# Altium PCB NUCLEOG431RB-Custom-IN-A2212.PcbDoc (part 1 of 5) (continued)
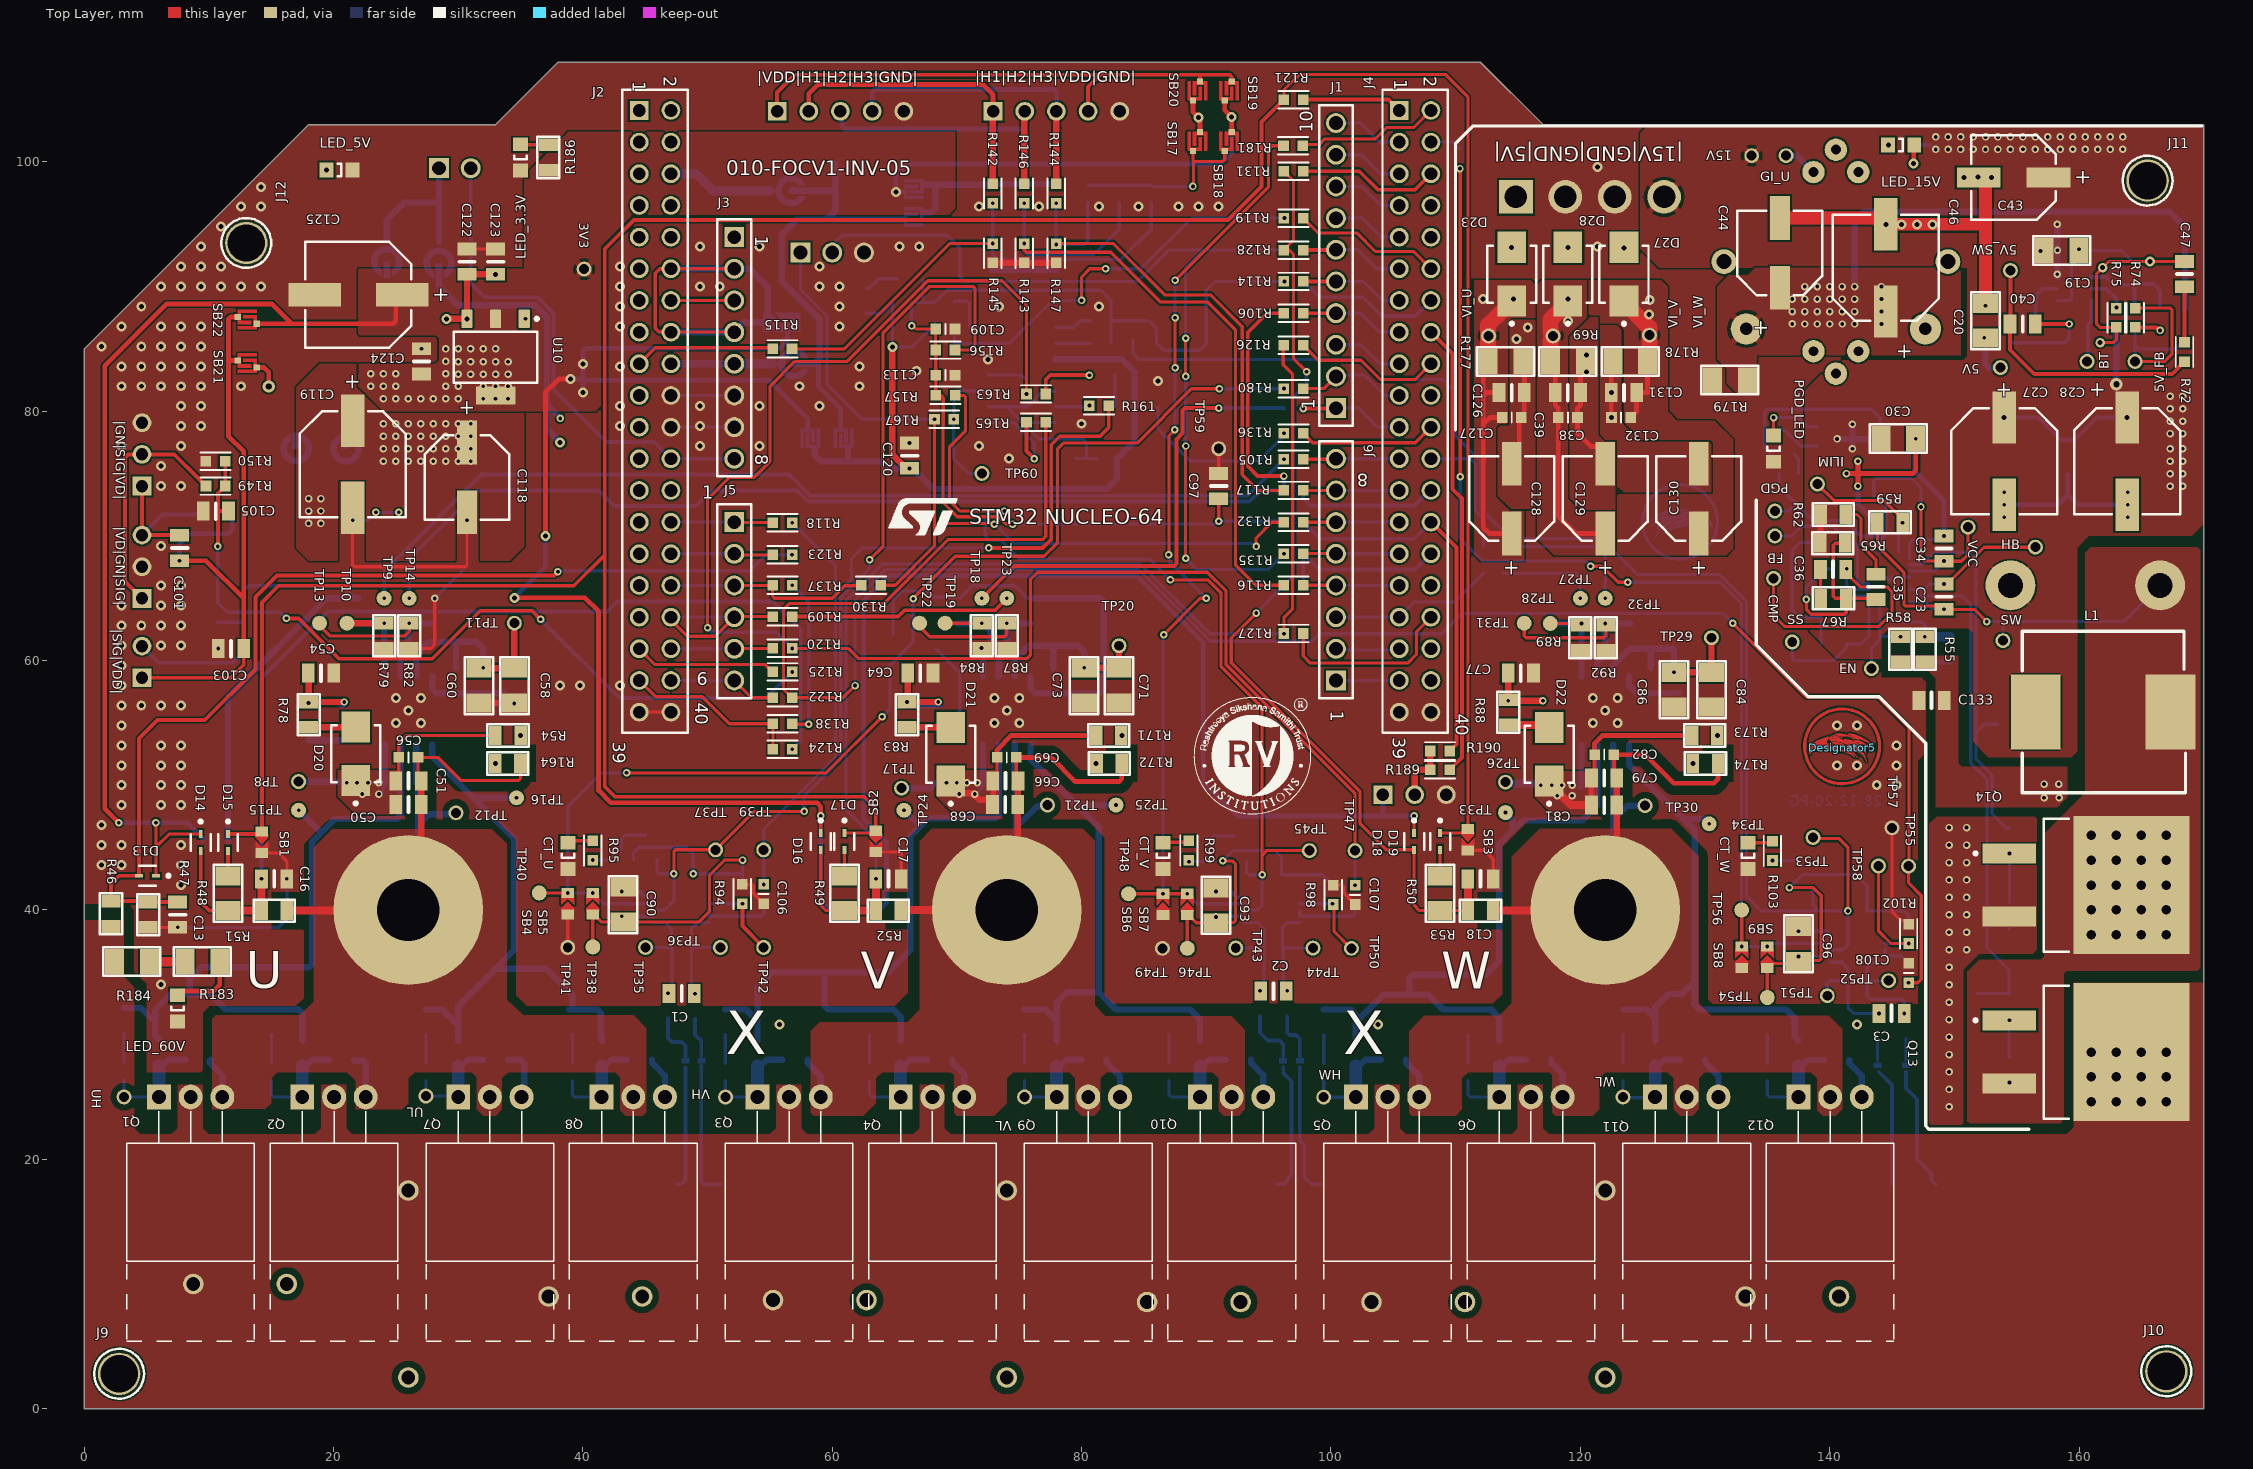
[diagram p0: Top Layer view]
## Components (designator, comment, footprint, x,y, rotation, side; value= is the part's Value field where it differs from the comment) (continued)
R42 "0.001" SMD-2512-RES 146.5,18 r0 bottom net-tie
R43 "1.5" SMD-0805-RES 49,32.27 r180 bottom
R44 "1.5" SMD-0805-RES 96.5,32.5 r180 bottom
R45 "1.5" SMD-0805-RES 146.115,30.69 r180 bottom
R46 "169k" SMD-0805-RES 2.152,39.694 r180 top
R47 "9.31k" SMD-0805-RES 5.132,39.624 r180 top
R48 "2.2k" SMD-1206-RES 11.536,41.347 r180 top
R49 "2.2k" SMD-1206-RES 60.976,41.347 r180 top
R50 "2.2k" SMD-1206-RES 108.75,41.347 r180 top
R51 "10k" SMD-0805-RES 15.24,39.95 r270 top
R52 "10k" SMD-0805-RES 64.5,39.95 r270 top
R53 "10k" SMD-0805-RES 112,39.95 r270 top
R54 "0.0" SMD-0805-RES 33.992,54 r90 top
R55 "2.2" SMD-0805-RES 147.633,60.908 r0 top
R56 "8.2" SMD-0805-RES 154.389,32.229 r180 bottom
R57 "10k" SMD-0805-RES 154.416,27.174 r0 bottom
R58 "121k" SMD-0805-RES 145.678,60.908 r0 top
R59 "698" SMD-0805-RES 144.842,71.088 r270 top
R60 "8.06k" SMD-0805-RES 145.678,60.908 r0 bottom
R61 "20k" SMD-0805-RES 144.548,73.184 r270 bottom
R62 "4.7" SMD-0805-RES 140.279,71.718 r270 top
R63 "8.2" SMD-0805-RES 154.421,45.556 r180 bottom
R64 "100k" SMD-0805-RES 140.347,61.334 r270 bottom
R65 "18k" SMD-0805-RES 140.238,69.419 r270 top
R66 "10k" SMD-0805-RES 154.4,39.6 r0 bottom
R67 "2.61k" SMD-0805-RES 140.311,65 r90 top
R68 "1.02k" SMD-0805-RES 140.331,69.473 r270 bottom
R69 "100k" SMD-1206-RES 119,84 r90 top
R70 "1" SMD-0603-RES 160,87 r90 bottom
R71 "510k" SMD-0603-RES 163,87.5 r180 bottom
R72 "13.7k" SMD-0603-RES 168.461,84.759 r0 top
R73 "49.9" SMD-0603-RES 168.5,87.5 r0 bottom
R74 "2k" SMD-0603-RES 164.5,87.5 r0 top
R75 "68k" SMD-0603-RES 163,87.5 r180 top
R76 "100k" SMD-0603-RES 164.5,87.5 r180 bottom
R77 "13.7k" SMD-0603-RES 164.5,91 r180 bottom
R78 "2" SMD-0805-RES 18,55.666 r0 top
R79 "100k" SMD-0805-RES 24.06,61.984 r0 top
R80 "1k" SMD-0805-RES 24.095,64 r180 bottom
R81 "1k" SMD-0805-RES 26,64 r180 bottom
R82 "100k" SMD-0805-RES 26.068,61.984 r180 top
R83 "2" SMD-0805-RES 66,55.666 r0 top
R84 "100k" SMD-0805-RES 72,61.984 r0 top
R85 "1k" SMD-0805-RES 72.095,64 r180 bottom
R86 "1k" SMD-0805-RES 74,64 r180 bottom
R87 "100k" SMD-0805-RES 74,61.984 r180 top
R88 "2" SMD-0805-RES 114.222,55.85 r0 top
R89 "100k" SMD-0805-RES 120.004,61.835 r0 top
R90 "1k" SMD-0805-RES 120.095,64 r180 bottom
R91 "1k" SMD-0805-RES 122,64 r180 bottom
R92 "100k" SMD-0805-RES 122.052,61.835 r180 top
R93 "10k" SMD-0603-RES 48.07,42.9 r270 bottom
R94 "1k" SMD-0603-RES 52.792,41.275 r0 top
R95 "2.05k" SMD-0603-RES 40.788,44.775 r0 top
R96 "1k" SMD-0603-RES 52.792,41.275 r180 bottom
R97 "10k" SMD-0603-RES 95.256,42.822 r270 bottom
R98 "1k" SMD-0603-RES 100.175,41.217 r0 top
R99 "2.05k" SMD-0603-RES 88.61,44.775 r0 top
R100 "1k" SMD-0603-RES 100.175,41.217 r180 bottom
R101 "10k" SMD-0603-RES 142.24,39.923 r270 bottom
R102 "1k" SMD-0603-RES 146.329,38.091 r0 top
R103 "2.05k" SMD-0603-RES 135.413,44.742 r0 top
R104 "1k" SMD-0603-RES 146.344,38.091 r180 bottom
R105 "0.0" SMD-0603-RES 97,76.158 r270 top
R106 "0.0" SMD-0603-RES 97,87.859 r270 top
R107 "0.0" SMD-0603-RES 97,73.65 r90 bottom
R108 "0.0" SMD-0603-RES 97,80.219 r90 bottom
R109 "0.0" SMD-0603-RES 56.01,63.532 r90 top
R110 "0.0" SMD-0603-RES 113,67 r270 bottom
R111 "0.0" SMD-0603-RES 113,69.162 r270 bottom
R112 "0.0" SMD-0603-RES 97,90.414 r90 bottom
R113 "0.0" SMD-0603-RES 97,71.11 r90 bottom
R114 "0.0" SMD-0603-RES 97,90.414 r270 top
R115 "0.0" SMD-0603-RES 56,85 r90 top
R116 "0.0" SMD-0603-RES 97,66.043 r270 top
R117 "0.0" SMD-0603-RES 97,73.65 r270 top
R118 "0.0" SMD-0603-RES 56.01,71.068 r90 top
R119 "0.0" SMD-0603-RES 97,95.494 r270 top
R120 "0.0" SMD-0603-RES 56.01,60.982 r90 top
R121 "0.0" SMD-0603-RES 97,105 r270 top
R122 "0.0" SMD-0603-RES 56.01,57.022 r90 top
R123 "0.0" SMD-0603-RES 56.01,68.486 r90 top
R124 "0.0" SMD-0603-RES 56.01,52.89 r90 top
R125 "0.0" SMD-0603-RES 56.01,59.093 r90 top
R126 "0.0" SMD-0603-RES 97,85.304 r270 top
R127 "0.0" SMD-0603-RES 97,62.175 r270 top
R128 "0.0" SMD-0603-RES 97,92.93 r270 top
R129 "0.0" SMD-0603-RES 97,66.043 r90 bottom
R130 "0.0" SMD-0603-RES 63.115,66.042 r90 top
R131 "0.0" SMD-0603-RES 97,99.254 r270 top
R132 "0.0" SMD-0603-RES 97,71.1 r270 top
R133 "0.0" SMD-0603-RES 97,92.93 r90 bottom
R134 "0.0" SMD-0603-RES 97,68.585 r90 bottom
R135 "0.0" SMD-0603-RES 97,68.585 r270 top
R136 "470" SMD-0603-RES 97,78.244 r270 top
R137 "0.0" SMD-0603-RES 56.01,66.042 r90 top
R138 "0.0" SMD-0603-RES 56.01,54.936 r90 top
R139 "10k" SMD-0603-RES 72.88,97.461 r0 bottom
R140 "10k" SMD-0603-RES 75.407,97.461 r0 bottom
R141 "10k" SMD-0603-RES 77.96,97.461 r0 bottom
R142 "1k" SMD-0603-RES 72.88,97.461 r180 top
R143 "1k" SMD-0603-RES 75.407,97.461 r180 top
R144 "1k" SMD-0603-RES 77.96,97.461 r180 top
R145 "4.7k" SMD-0603-RES 72.88,92.678 r180 top
R146 "4.7k" SMD-0603-RES 75.407,92.678 r180 top
R147 "4.7k" SMD-0603-RES 77.96,92.678 r180 top
R148 "4.7k" SMD-0603-RES 12.777,63.855 r180 bottom
R149 "1k" SMD-0603-RES 10.543,74.003 r270 top
R150 "1k" SMD-0603-RES 10.531,75.987 r270 top
R151 "0.0" SMD-0603-RES 10.721,63.855 r180 bottom
R152 "0.0" SMD-0603-RES 54.5,41.275 r0 bottom
R153 "0.0" SMD-0603-RES 101.921,41.211 r0 bottom
R154 "0.0" SMD-0603-RES 146.329,34.948 r180 bottom
R155 "10k" SMD-0603-RES 65.595,88.719 r90 bottom
R156 "0.0" SMD-0603-RES 69.074,84.913 r90 top
R157 "0.0" SMD-0603-RES 69.076,81.272 r90 top
R158 "0.0" SMD-0603-RES 84.143,86.504 r180 bottom
R159 "10k" SMD-0603-RES 65.595,86.848 r90 bottom
R160 "10k" SMD-0603-RES 82.055,76.2 r270 bottom
R161 "680" SMD-0603-RES 81.404,80.446 r270 top
R162 "10k" SMD-0603-RES 78.74,76.2 r270 bottom
R163 "680" SMD-0603-RES 76.355,81.388 r90 top
R164 "0.0" SMD-0805-RES 33.978,51.754 r270 top
R165 "680" SMD-0603-RES 76.355,79.113 r270 top
R166 "10k" SMD-0603-RES 69.037,87.08 r90 bottom
R167 "33k" SMD-0603-RES 68.98,79.361 r90 top
R168 "0.0" SMD-0603-RES 81.576,87.259 r90 bottom
R169 "0.0" SMD-0603-RES 81.576,85.449 r90 bottom
R170 "0.0" SMD-0603-RES 68.98,88.719 r270 bottom
R171 "0.0" SMD-0805-RES 82.168,54 r90 top
R172 "0.0" SMD-0805-RES 82.211,51.754 r270 top
R173 "0.0" SMD-0805-RES 129.974,54 r90 top
R174 "0.0" SMD-0805-RES 130.036,51.754 r270 top
R175 "2.05k" SMD-0603-RES 136.725,75 r270 bottom
R176 "2.05k" SMD-0603-RES 139,78 r180 bottom
R177 "100k" SMD-1206-RES 114,84 r90 top
R178 "100k" SMD-1206-RES 124,84 r90 top
R179 "100k" SMD-1206-RES 132,82.5 r90 top
R180 "0.0" SMD-0603-RES 97,81.821 r270 top
R181 "0.0" SMD-0603-RES 96.967,101.297 r270 top
R182 "0.0" SMD-0603-RES 110.35,100.239 r180 bottom
R183 "4.7k" SMD-1206-RES 9.478,35.858 r270 top
R184 "4.7k" SMD-1206-RES 3.831,35.858 r270 top
R185 "4.7k" SMD-0805-RES 145.728,101.358 r90 bottom
R186 "4.7k" SMD-0805-RES 37.228,100.358 r180 top
R187 "4.7k" SMD-0805-RES 62.728,88.858 r0 bottom
R188 "4.7k" SMD-0805-RES 20.478,99.358 r90 bottom
R189 "0.0" SMD-0603-RES 108.75,51.25 r270 top
R190 "0.0" SMD-0603-RES 108.75,52.75 r270 top
RJ1 "Net Tie 12x8mil" SHORT06-FP 48.225,27.892 r270 bottom net-tie
RJ2 "Net Tie 12x8mil" SHORT06-FP 96.173,27.9 r270 bottom net-tie
RJ3 "Net Tie 12x8mil" SHORT06-FP 143.827,27.532 r270 bottom net-tie
RJ4 "Net Tie 12x8mil" SHORT06-FP 49.5,27.892 r270 bottom net-tie
RJ5 "Net Tie 12x8mil" SHORT06-FP 97.5,27.9 r270 bottom net-tie
RJ6 "Net Tie 12x8mil" SHORT06-FP 146.115,27.532 r270 bottom net-tie
SB1 "Open" SB_0603 14.25,45.425 r90 top
SB2 "Open" SB_0603 63.497,45.5 r90 top
SB3 "Open" SB_0603 110.984,45.643 r90 top
SB4 "Open" SB_0603 38.789,40.5 r270 top
SB5 "Open" SB_0603 40.797,40.5 r270 top
SB6 "Open" SB_0603 86.525,40.442 r270 top
SB7 "Open" SB_0603 88.48,40.442 r270 top
SB8 "Open" SB_0603 132.945,36.209 r270 top
SB9 "Open" SB_0603 135,36.209 r270 top
SB10 "Open" "Solder Bridge - HP" 56.921,83.81 r0 bottom
SB11 "Open" "Solder Bridge - HP" 28.46,91.872 r270 bottom
SB12 "Open" "Solder Bridge - HP" 24.27,92 r270 bottom
SB13 "Open" "Solder Bridge - HP" 56.7,97.7 r0 bottom
SB14 "Open" "0805-Solder Bridge" 55.953,87.129 r0 bottom
SB15 "Open" "SOLDER BRIDGE - HP - SQ" 67.295,94.808 r180 bottom
SB16 "Open" "SOLDER BRIDGE - HP - SQ" 67.295,97.039 r180 bottom
SB17 "Open" "SOLDER BRIDGE - HP - SQ" 90.073,100.881 r90 top
SB18 "Open" "SOLDER BRIDGE - HP - SQ" 92.613,100.881 r90 top
SB19 "Open" "SOLDER BRIDGE - HP - SQ" 92.613,104.932 r90 top
SB20 "Open" "SOLDER BRIDGE - HP - SQ" 90.073,104.932 r90 top
SB21 "Open" "SOLDER BRIDGE - HP - SQ" 13.841,84.651 r180 top
SB22 "Open" "SOLDER BRIDGE - HP - SQ" 13.841,88.143 r180 top
SB23 "Open" "Solder Bridge - HP" 21,77 r90 bottom
SB24 "Open" "Solder Bridge - HP" 17,77.008 r90 bottom
SB25 "Open" "Solder Bridge - HP - SQ" 57.455,77.067 r90 bottom
SB26 "Open" "Solder Bridge - HP - SQ" 60.117,77.079 r90 bottom
SS "Test Point" Test_point_THT#1 137,61.5 r0 top
SW "Test Point" Test_point_THT#1 153.9,61.6 r0 top
T1 "RM6-N87-SS" RM6-N87-SS 140.5,92 r90 bottom
T2 "Connecting Tab" Tab 26,40 r180 bottom
T3 "Connecting Tab" Tab 74,40 r180 bottom
T4 "Connecting Tab" Tab 122,40 r180 bottom
TP8 "Test Point" TEST_POINT_THT 17.202,50.3 r0 top
TP9 "Test Point" Test_point_SMD#1 24.06,65 r0 top
TP10 "Test Point" Test_point_SMD#1 21.078,63 r0 top
TP11 "Test Point" TEST_POINT_THT 34.5,63 r0 top
TP12 "Test Point" TEST_POINT_THT 29.818,47.797 r0 top
TP13 "Test Point" Test_point_SMD#1 18.875,63 r0 top
TP14 "Test Point" Test_point_SMD#1 26.068,65 r0 top
TP15 "Test Point" Test_point_SMD#1 17.202,48 r0 top
TP16 "Test Point" Test_point_SMD#2 34.68,47.996 r0 top
TP17 "Test Point" TEST_POINT_THT 65.558,49.767 r0 top
TP18 "Test Point" Test_point_SMD#1 72,65 r0 top
TP19 "Test Point" Test_point_SMD#1 69.054,63 r0 top
TP20 "Test Point" TEST_POINT_THT 83,61.193 r0 top
TP21 "Test Point" TEST_POINT_THT 77.258,48.412 r90 top
TP22 "Test Point" Test_point_SMD#1 67,63 r0 top
TP23 "Test Point" Test_point_SMD#1 74,65 r0 top
TP24 "Test Point" Test_point_SMD#1 65.754,48 r0 top
TP25 "Test Point" Test_point_SMD#1 82.759,48.412 r0 top
TP26 "Test Point" TEST_POINT_THT 114,50.25 r0 top
TP27 "Test Point" Test_point_SMD#1 120.004,65 r0 top
TP28 "Test Point" Test_point_SMD#1 117.59,62.984 r0 top
TP29 "Test Point" TEST_POINT_THT 130.52,61.835 r0 top
TP30 "Test Point" TEST_POINT_THT 125.196,48.362 r0 top
TP31 "Test Point" Test_point_SMD#1 115.5,63 r0 top
TP32 "Test Point" Test_point_SMD#1 122,65 r0 top
TP33 "Test Point" Test_point_SMD#1 114,47.812 r0 top
TP34 "Test Point" Test_point_SMD#1 130.34,46.914 r0 top
TP35 "Test Point" TEST_POINT_THT 45.025,37 r0 top
TP36 "Test Point" TEST_POINT_THT 51.025,37 r0 top
TP37 "Test Point" TEST_POINT_THT 50.65,44.825 r0 top
TP38 "Test Point" Test_point_SMD#1 40.797,37.04 r0 top
TP39 "Test Point" TEST_POINT_THT 54.5,44.825 r0 top
TP40 "Test Point" Test_point_SMD#1 36.5,41.366 r0 top
TP41 "Test Point" TEST_POINT_THT 38.786,37 r0 top
TP42 "Test Point" TEST_POINT_THT 54.5,37 r0 top
TP43 "Test Point" TEST_POINT_THT 92.364,36.942 r0 top
TP44 "Test Point" TEST_POINT_THT 98.559,36.942 r0 top
TP45 "Test Point" TEST_POINT_THT 98.275,44.757 r0 top
TP46 "Test Point" Test_point_SMD#3 88.48,35.951 r0 top
TP47 "Test Point" TEST_POINT_THT 101.937,44.757 r0 top
TP48 "Test Point" Test_point_SMD#4 83.775,41.1 r0 top
TP49 "Test Point" TEST_POINT_THT 86.479,36.926 r0 top
TP50 "Test Point" TEST_POINT_THT 101.639,36.926 r0 top
TP51 "Test Point" TEST_POINT_THT 139.809,33.122 r90 top
TP52 "Test Point" TEST_POINT_THT 144.726,34.33 r0 top
TP53 "Test Point" TEST_POINT_THT 138.671,45.816 r90 top
TP54 "Test Point" Test_point_SMD#1 135,32.974 r0 top
TP55 "Test Point" TEST_POINT_THT 146.329,43.512 r0 top
TP56 "Test Point" Test_point_SMD#1 132.945,40 r0 top
TP57 "Test Point" TEST_POINT_THT 145,46.594 r0 top
TP58 "Test Point" TEST_POINT_THT 143.911,43.54 r0 top
TP59 "Test Point" TEST_POINT_THT 91,77 r0 top
TP60 "Test Point" TEST_POINT_THT 72,75.016 r0 top
U1 "LM5146QRGYRQ1" QFN50P350X450X100_HS-21N 144.78,66.445 r0 bottom value=Value
U2 "UCC27712QDQ1" SOIC127P570X175_HS-9N 26,56 r270 bottom locked
U3 "UCC27712QDQ1" SOIC127P570X175_HS-9N 74,56 r270 bottom
U4 "UCC27712QDQ1" SOIC127P570X175_HS-9N 122,56 r270 bottom
U5 "INA381A1IDGSR" TSSOP50P490X110-10N 47.925,40 r0 bottom
U6 "INA381A1IDGSR" TSSOP50P490X110-10N 95.275,40 r0 bottom
U7 "INA381A1IDGSR" TSSOP50P490X110-10N 142.24,36.814 r0 bottom
U8 "TPS54308DDCR" SOT95P278X110-6N 159.638,89.825 r0 bottom value=Value
U9 "LM339DR" FP-D0014A-MFG 75.184,82.899 r180 bottom
U10 "LM1117MP-3.3/NOPB" DCY0004A_L 33,84.345 r270 top
UH "Test Point" Test_point_THT#1 3.2,25.009 r0 top
UL "Test Point" Test_point_THT#1 27.404,25.073 r0 top
VCC "Test Point" Test_point_THT#1 151.1,70.7 r0 top
VH "Test Point" Test_point_THT#1 51.44,24.992 r0 top
VI_U "Test Point" Test_point_THT#1 112.65,86.04 r0 top
VI_V "Test Point" Test_point_THT#1 117.809,86.04 r0 top
VI_W "Test Point" Test_point_THT#1 125.54,86.102 r0 top
VL "Test Point" Test_point_THT#1 75.433,25.003 r0 top
WH "Test Point" Test_point_THT#1 99.419,24.983 r0 top
WL "Test Point" Test_point_THT#3 123.417,24.826 r0 top

## Footprints (in the part's own frame and the unit in brackets; to place one, negate y for a bottom-side part, rotate by r counter-clockwise, add the part's x,y. Pads: shape width x height; smd on the part's side, far side on the other; paste and mask are expansions set on the pad)
"0805-Solder Bridge" [mm]
  rect 0.5x1 smd: 1(-1.118,0) 2(0.875,0)
  Top Layer region: -1.499,-0.762 -1.499,0.762 -0.889,0.762 -0.127,0 -0.889,-0.762
  Top Layer region: 0.178,0 -0.584,0.762 1.499,0.762 1.499,-0.762 -0.584,-0.762
0805_A [mm] "Chip LED, 2-Leads, Body 2.0x1.3mm, IPC Medium Density"
  rect 1.1x1.2 smd: 1(-1.05,0) 2(1.05,0)
  silkscreen extent -0.15,-0.5 0.15,0.5, body extent -1,-0.62 1,0.63, height 0.8
61300211121 [mm] "Pin Header, pitch 2.54 mm, THT, Vertical, single row, 2p"
  rect 1.6x1.6 hole 1.1: 1(-1.27,0)
  round 1.6 hole 1.1: 2(1.27,0)
  silkscreen extent -2.69,-1.35 2.69,1.35, body extent -2.54,-1.27 2.54,1.27, height 8.57
61300311121 [mm] "Pin Header, pitch 2.54 mm, THT, Vertical, single row, 3p"
  rect 1.6x1.6 hole 1.1: 1(-2.54,0)
  round 1.6 hole 1.1: 2(0,0) 3(2.54,0)
  silkscreen extent -3.96,-1.35 3.96,1.35, body extent -3.81,-1.27 3.81,1.27, height 8.57
61300611121 [mm] "Pin Header, pitch 2.54 mm, THT, Vertical, single row, 6p"
  rect 1.6x1.6 hole 1.1: 1(-6.35,0)
  round 1.6 hole 1.1: 2(-3.81,0) 3(-1.27,0) 4(1.27,0) 5(3.81,0) 6(6.35,0)
  silkscreen extent -7.77,-1.34 7.77,1.35, body extent -7.62,-1.27 7.62,1.27, height 8.57
61300811121 [mm] "Pin Header, pitch 2.54 mm, THT, Vertical, single row, 8p"
  rect 1.6x1.6 hole 1.1: 1(-8.89,0)
  round 1.6 hole 1.1: 2(-6.35,0) 3(-3.81,0) 4(-1.27,0) 5(1.27,0) 6(3.81,0) 7(6.35,0) 8(8.89,0)
  silkscreen extent -10.31,-1.34 10.31,1.35, body extent -10.16,-1.27 10.16,1.27, height 8.57
61301011121 [mm] "Pin Header, pitch 2.54 mm, THT, Vertical, single row, 10p"
  rect 1.6x1.6 hole 1.1: 1(-11.43,0)
  round 1.6 hole 1.1: 2(-8.89,0) 3(-6.35,0) 4(-3.81,0) 5(-1.27,0) 6(1.27,0) 7(3.81,0) 8(6.35,0) 9(8.89,0) 10(11.43,0)
  silkscreen extent -12.85,-1.35 12.85,1.34, body extent -12.7,-1.27 12.7,1.27, height 8.57
61304021821 [mm] "Socket Header, Pitch 2.54 mm, THT, Vertical, dual row, 40p"
  rect 1.5x1.5 hole 1.02: 1(-24.13,-1.27)
  round 1.5 hole 1.02: 2(-24.13,1.27) 3(-21.59,-1.27) 4(-21.59,1.27) 5(-19.05,-1.27) 6(-19.05,1.27) 7(-16.51,-1.27) 8(-16.51,1.27) 9(-13.97,-1.27) 10(-13.97,1.27) 11(-11.43,-1.27) 12(-11.43,1.27) 13(-8.89,-1.27) 14(-8.89,1.27) 15(-6.35,-1.27) 16(-6.35,1.27) 17(-3.81,-1.27) 18(-3.81,1.27) 19(-1.27,-1.27) 20(-1.27,1.27) 21(1.27,-1.27) 22(1.27,1.27) 23(3.81,-1.27) 24(3.81,1.27) 25(6.35,-1.27) 26(6.35,1.27) 27(8.89,-1.27) 28(8.89,1.27) 29(11.43,-1.27) 30(11.43,1.27) 31(13.97,-1.27) 32(13.97,1.27) 33(16.51,-1.27) 34(16.51,1.27) 35(19.05,-1.27) 36(19.05,1.27) 37(21.59,-1.27) 38(21.59,1.27) 39(24.13,-1.27) 40(24.13,1.27)
  silkscreen extent -25.77,-2.61 25.77,2.62, body extent -25.65,-2.54 25.65,2.54, height 8.45
61900211121 [mm] "2.54mm Male Locking Header, 2p"
  rect 1.5x1.5 hole 1: 1(1.27,0.3)
  round 1.5 hole 1: 2(-1.27,0.3)
  silkscreen extent -2.71,-3.52 2.71,2.98, body extent -2.54,-2.9 2.54,2.9, height 11.53
61900311121 [mm] "2.54mm Male Locking Header, 3p"
  rect 1.5x1.5 hole 1: 1(2.54,0.3)
  round 1.5 hole 1: 2(0,0.3) 3(-2.54,0.3)
  silkscreen extent -3.98,-3.52 3.98,2.98, body extent -3.81,-2.9 3.81,2.9, height 11.53
61900511121 [mm] "2.54mm Male Locking Header, 5p"
  rect 1.5x1.5 hole 1: 1(5.08,0.3)
  round 1.5 hole 1: 2(2.54,0.3) 3(0,0.3) 4(-2.54,0.3) 5(-5.08,0.3)
  silkscreen extent -6.52,-3.52 6.52,2.98, body extent -6.35,-2.9 6.35,2.9, height 11.53
645004114822 [mm] "3.96mm Male Locking Header, 4p"
  rect 2.7x2.7 hole 1.8: 1(5.94,0.225)
  round 2.7 hole 1.8: 2(1.98,0.225) 3(-1.98,0.225) 4(-5.94,0.225)
  silkscreen extent -8.1,-5.45 8.68,5.45, body extent -7.98,-5.38 7.97,5.37, height 13.89
DCY0004A_L [mm] "SOT223, 4-Leads, Body 6.7x3.7mm, Pitch 2.3mm, IPC High Density"
  rrect11% 1.45x0.9 smd: 1(-3.075,2.3) 2(-3.075,0) 3(-3.075,-2.3)
  rrect7% 1.45x3.15 smd: 4(3.075,0)
  silkscreen extent -3.2,-3.35 2.05,3.43, body extent -3.5,-3.25 3.5,3.25, height 1.62
FP-418AJ-MFG [mil]
  rect 63x169 smd paste+0 mask+0: 1(0,0) 3(200,0)
  round 60 hole 30: 4(-57.48,495.25) 4(-57.48,416.51) 4(-57.48,337.77) 4(-57.48,259.03) 4(21.26,495.25) 4(21.26,416.51) 4(21.26,337.77) 4(21.26,259.03) 4(100,495.25) 4(100,416.51) 4(100,337.77) 4(100,259.03) 4(178.74,416.51) 4(178.74,495.25) 4(178.74,259.03) 4(178.74,337.77) 4(257.48,495.25) 4(257.48,259.03) 4(257.48,337.77) 4(257.48,416.51)
  rect 436x366 smd: 4(100,385.5)
  rect 436x366 smd far side paste+0 mask+0: 4(100,385.5)
  silkscreen extent -110,-112 310,188, body extent -122,-88 322,572, height 10
"FP-418AJ-MFG - HALF VIA" [mil]
  rect 63x169 smd paste+0 mask+0: 1(0,0) 3(200,0)
  round 60 hole 30: 4(100,495.25) 4(100,416.51) 4(100,337.77) 4(100,259.03) 4(178.74,416.51) 4(178.74,495.25) 4(178.74,259.03) 4(178.74,337.77) 4(257.48,495.25) 4(257.48,259.03) 4(257.48,337.77) 4(257.48,416.51)
  rect 436x366 smd: 4(100,385.5)
  rect 436x366 smd far side: 4(100,385.5)
  silkscreen extent -110,-112 310,188, body extent -122,-88 322,572, height 10
FP-D0014A-MFG [mm]
  rect 1.55x0.6 smd paste-1000 mask+0: 1(-2.7,3.81) 2(-2.7,2.54) 3(-2.7,1.27) 4(-2.7,0) 5(-2.7,-1.27) 6(-2.7,-2.54) 7(-2.7,-3.81) 8(2.7,-3.81) 9(2.7,-2.54) 10(2.7,-1.27) 11(2.7,0) 12(2.7,1.27) 13(2.7,2.54) 14(2.7,3.81)
  silkscreen extent -4.2,-4.38 1.55,4.38, body extent -3,-4.33 3,4.32, height 1.75
FP-SMB-MFG [mm]
  rect 2.5x2.3 smd paste+0 mask+0: 1(-2.15,0) 2(2.15,0)
  silkscreen extent -4.1,-1.97 2.29,1.97, body extent -3.5,-2.07 3.5,2.07, height 0.25
FP-SOD-523-MFG#1 [mm]
  rect 0.65x0.3 smd paste+0 mask+0: 1(-0.675,0) 2(0.675,0)
  silkscreen extent -1.8,-0.8 0.65,0.8, body extent -0.8,-0.4 0.8,0.4, height 0.7
FP-SOD-523-MFG#2 [mm]
  rect 0.65x0.3 smd: 1(-0.675,0) 2(0.675,0)
  silkscreen extent -1.8,-0.8 0.65,0.8, body extent -0.8,-0.4 0.8,0.4, height 0.7
FP-SOT23-MFG [mm]
  rect 0.7x0.6 smd paste-1000 mask+0: 1(-1,0.95) 2(-1,-0.95) 3(1,0)
  silkscreen extent -0.7,-1.5 0.7,1.5, body extent -1.15,-1.45 1.15,1.45, height 1.1
garudalogo6mm_circle [mm]
  Top Layer circle w0.254: c0,0.127 r3
  Top Layer region: 0.285,0.696 0.38,0.684 0.49,0.663 0.556,0.647 0.835,0.558 1.096,0.437 1.334,0.288 1.544,0.114 1.681,-0.035 1.741,-0.113 1.801,-0.199 1.854,-0.285 1.896,-0.362 1.921,-0.42 1.926,-0.442 1.917,-0.465 1.891,-0.451 1.847,-0.399 1.811,-0.347 1.673,-0.171 1.511,-0.016 1.33,0.115 1.137,0.216 0.94,0.284 0.783,0.311 0.696,0.323 0.63,0.345 0.564,0.385 0.54,0.403 0.464,0.456 0.373,0.517 0.298,0.565 0.231,0.608 0.18,0.646 0.154,0.671 0.153,0.673 0.165,0.691 0.211,0.698
  Top Layer region: 0.866,0.205 0.998,0.174 1.141,0.114 1.282,0.03 1.409,-0.069 1.413,-0.073 1.551,-0.222 1.682,-0.403 1.8,-0.607 1.899,-0.824 1.948,-0.959 1.976,-1.055 1.987,-1.114 1.981,-1.133 1.96,-1.114 1.924,-1.056 1.882,-0.973 1.767,-0.769 1.64,-0.602 1.5,-0.472 1.349,-0.381 1.26,-0.348 1.201,-0.328 1.16,-0.302 1.125,-0.261 1.085,-0.192 1.084,-0.19 1.035,-0.113 0.968,-0.023 0.897,0.062 0.883,0.078 0.751,0.218
  Top Layer region: -0.049,-0.061 0.164,-0.108 0.364,-0.172 0.542,-0.251 0.693,-0.341 0.809,-0.44 0.81,-0.441 0.861,-0.501 0.913,-0.57 0.959,-0.638 0.994,-0.698 1.012,-0.739 1.012,-0.752 0.993,-0.744 0.956,-0.713 0.936,-0.692 0.804,-0.584 0.635,-0.489 0.43,-0.41 0.194,-0.346 -0.073,-0.299 -0.294,-0.275 -0.39,-0.267 -0.47,-0.258 -0.524,-0.251 -0.545,-0.246 -0.549,-0.222 -0.519,-0.203 -0.466,-0.191 -0.442,-0.191 -0.383,-0.185 -0.336,-0.161 -0.286,-0.112 -0.214,-0.034
  Top Layer region: 0.027,1.152 0.265,1.105 0.493,1.02 0.504,1.016 0.59,0.971 0.68,0.918 0.766,0.862 0.842,0.808 0.898,0.761 0.928,0.727 0.931,0.718 0.926,0.702 0.904,0.704 0.86,0.726 0.789,0.77 0.664,0.841 0.539,0.891 0.403,0.923 0.246,0.94 0.116,0.944 -0.062,0.95 -0.203,0.964 -0.296,0.983 -0.448,1.009 -0.596,1.007 -0.728,0.977 -0.778,0.955 -0.848,0.922 -0.89,0.912 -0.908,0.924 -0.91,0.94 -0.891,0.963 -0.84,0.994 -0.765,1.029 -0.675,1.065 -0.578,1.099 -0.483,1.125 -0.447,1.134 -0.213,1.162
  Top Layer region: 0.639,1.137 0.74,1.124 0.854,1.104 0.974,1.077 1.094,1.046 1.183,1.018 1.475,0.9 1.763,0.745 2.04,0.558 2.298,0.343 2.405,0.239 2.506,0.134 2.583,0.049 2.634,-0.014 2.657,-0.052 2.652,-0.064 2.629,-0.049 2.586,-0.012 2.533,0.04 2.529,0.045 2.372,0.191 2.195,0.328 2.009,0.451 1.822,0.554 1.643,0.631 1.533,0.665 1.449,0.682 1.343,0.699 1.236,0.711 1.217,0.712 1.029,0.727 0.885,0.847 0.8,0.913 0.708,0.978 0.625,1.029 0.615,1.035 0.551,1.072 0.505,1.103 0.487,1.123 0.487,1.123 0.506,1.138 0.559,1.142
  Top Layer region: -0.346,0.822 -0.327,0.819 -0.263,0.801 -0.173,0.766 -0.067,0.718 0.045,0.662 0.154,0.603 0.251,0.546 0.278,0.528 0.402,0.44 0.526,0.343 0.646,0.242 0.757,0.14 0.855,0.043 0.936,-0.046 0.995,-0.122 1.028,-0.181 1.032,-0.216 1.014,-0.216 0.971,-0.188 0.908,-0.134 0.898,-0.125 0.681,0.063 0.465,0.213 0.244,0.33 0.009,0.417 -0.247,0.477 -0.318,0.489 -0.396,0.503 -0.459,0.517 -0.493,0.529 -0.495,0.531 -0.496,0.557 -0.476,0.6 -0.471,0.607 -0.439,0.67 -0.415,0.742 -0.414,0.749 -0.402,0.801 -0.384,0.822
  Top Layer region: 1.117,0.609 1.203,0.602 1.292,0.591 1.373,0.576 1.42,0.563 1.606,0.488 1.792,0.378 1.968,0.24 2.067,0.145 2.117,0.089 2.176,0.018 2.236,-0.058 2.291,-0.132 2.336,-0.196 2.364,-0.241 2.371,-0.257 2.361,-0.274 2.333,-0.255 2.284,-0.2 2.262,-0.171 2.125,-0.024 1.958,0.105 1.771,0.207 1.582,0.275 1.48,0.308 1.371,0.35 1.262,0.399 1.162,0.451 1.076,0.501 1.012,0.546 0.978,0.583 0.974,0.596 0.993,0.606 1.044,0.611
  Top Layer region: -0.676,0.453 -0.651,0.453 -0.497,0.447 -0.372,0.436 -0.264,0.418 -0.201,0.402 0.067,0.317 0.307,0.21 0.522,0.08 0.719,-0.079 0.9,-0.269 1.072,-0.495 1.205,-0.704 1.234,-0.758 1.238,-0.78 1.218,-0.77 1.177,-0.731 1.115,-0.663 1.079,-0.621 0.906,-0.438 0.716,-0.282 0.516,-0.157 0.313,-0.066 0.212,-0.035 0.132,-0.018 0.031,-0.003 -0.072,0.009 -0.08,0.01 -0.168,0.019 -0.225,0.03 -0.261,0.045 -0.288,0.07 -0.302,0.088 -0.403,0.191 -0.542,0.281 -0.72,0.357 -0.731,0.361 -0.815,0.392 -0.882,0.418 -0.923,0.437 -0.931,0.444 -0.911,0.449 -0.857,0.452 -0.776,0.454
  Top Layer region: -0.385,0.919 -0.283,0.915 -0.205,0.906 -0.141,0.892 -0.106,0.881 -0.039,0.856 0.012,0.832 0.032,0.82 0.037,0.807 0.011,0.813 -0.112,0.844 -0.257,0.86 -0.409,0.862 -0.551,0.849 -0.646,0.828 -0.676,0.817 -0.675,0.812 -0.637,0.811 -0.593,0.812 -0.476,0.815 -0.47,0.735 -0.471,0.679 -0.49,0.634 -0.535,0.582 -0.536,0.581 -0.588,0.536 -0.636,0.514 -0.701,0.508 -0.716,0.508 -0.795,0.514 -0.853,0.537 -0.887,0.563 -0.937,0.613 -0.948,0.653 -0.92,0.691 -0.884,0.717 -0.84,0.748 -0.833,0.76 -0.858,0.754 -0.913,0.729 -0.931,0.72 -1.004,0.688 -1.055,0.678 -1.079,0.69 -1.079,0.696 -1.063,0.735 -1.031,0.773 -1.02,0.785 -1.006,0.797 -0.961,0.836 -0.903,0.874 -0.863,0.893 -0.822,0.906 -0.771,0.914 -0.701,0.919 -0.603,0.921 -0.519,0.921 hole: -0.752,0.8 -0.755,0.797 -0.752,0.785 -0.741,0.783 -0.723,0.791 -0.727,0.797 hole: -0.794,0.783 -0.804,0.773 -0.794,0.762 -0.783,0.773
  Top Layer region: -1.019,0.896 -1.022,0.857 -1.055,0.796 -1.11,0.721 -1.181,0.629 -1.224,0.557 -1.241,0.499 -1.236,0.446 -1.228,0.425 -1.209,0.39 -1.18,0.362 -1.134,0.339 -1.066,0.318 -0.968,0.297 -0.85,0.276 -0.743,0.255 -0.641,0.23 -0.559,0.206 -0.517,0.189 -0.43,0.134 -0.371,0.068 -0.342,-0.001 -0.347,-0.067 -0.382,-0.117 -0.4,-0.132 -0.422,-0.142 -0.453,-0.145 -0.503,-0.143 -0.577,-0.134 -0.684,-0.12 -0.715,-0.115 -0.95,-0.09 -1.186,-0.08 -1.413,-0.083 -1.619,-0.101 -1.714,-0.116 -1.809,-0.134 -1.899,-0.149 -1.968,-0.161 -1.979,-0.163 -2.064,-0.175 -2.003,-0.11 -1.94,-0.055 -1.861,-0.01 -1.762,0.027 -1.637,0.055 -1.483,0.077 -1.295,0.093 -1.143,0.102 -0.815,0.117 -0.98,0.143 -1.073,0.154 -1.191,0.163 -1.315,0.168 -1.385,0.169 -1.645,0.156 -1.872,0.118 -2.067,0.054 -2.228,-0.036 -2.356,-0.151 -2.451,-0.29 -2.459,-0.307 -2.49,-0.376 -2.511,-0.432 -2.519,-0.46 -2.532,-0.485 -2.561,-0.482 -2.594,-0.457 -2.607,-0.439 -2.619,-0.396 -2.628,-0.324 -2.633,-0.238 -2.633,-0.222 -2.631,-0.126 -2.621,-0.056 -2.601,0.006 -2.578,0.053 -2.487,0.195 -2.365,0.326 -2.211,0.447 -2.02,0.562 -1.822,0.658 -1.733,0.695 -1.626,0.736 -1.507,0.778 -1.387,0.818 -1.272,0.854 -1.171,0.883 -1.093,0.903 -1.046,0.91 -1.046,0.91
"INDUCTOR 25MM" [mm]
  round 4 hole 2: 1(0,0) 2(12,0)
  silkscreen extent 4,-2.5 8,2.5, body extent -0.86,-12.33 12.71,12.03, height 25.26
L18_W8.5_H15_P15 [mm] "THT Film Capacitors, body 18x8.5mm"
  round 1.65 hole 1.1: 1(-7.5,0) 2(7.5,0)
  silkscreen extent -9.75,-4.75 9.75,4.75, body extent -9,-4.25 9,4.25, height 15.05
MOUNTING_HOLE_3MM [mm]
  round 3.4 hole 3: 1(0,0)
  silkscreen extent -2,-2 2,2
QFN50P350X450X100_HS-21N [mm] "QFN, 20-Leads, Body 3.50x4.50mm, Pitch 1.50mm/0.50mm, Thermal Pad 1.70x2.70mm, IPC Medium Density"
  oval 0.25x0.95 smd mask+0.152: 1(-0.75,2.225) 10(-0.75,-2.225) 11(0.75,-2.225) 20(0.75,2.225)
  oval 0.95x0.25 smd mask+0.152: 2(-1.625,1.75) 3(-1.625,1.25) 4(-1.625,0.75) 5(-1.625,0.25) 6(-1.625,-0.25) 7(-1.625,-0.75) 8(-1.625,-1.25) 9(-1.625,-1.75) 12(1.625,-1.75) 13(1.625,-1.25) 14(1.625,-0.75) 15(1.625,-0.25) 16(1.625,0.25) 17(1.625,0.75) 18(1.625,1.25) 19(1.625,1.75)
  rect 1.7x2.7 smd mask+0.61: 21(0,0)
  silkscreen extent -1.95,-2.35 1.95,3.37, body extent -1.85,-2.25 1.85,2.25, height 1
RM6-N87-SS [mm] "TDK"
  round 1.8 hole 0.8: 1(-7.184,-1.796) 2(-8.98,0) 3(-7.184,1.796) 4(7.184,1.796) 5(8.98,0) 6(7.184,-1.796)
  round 2.5 hole 1: 7(-5.388,7.184) 8(-5.388,-7.184)
  round 2 hole 1.2: ""(0,-8.98) ""(0,8.98)
  body extent -10.08,-8.95 10.12,8.95, height 13.2
SB_0603 [mil] "Jumper"
  rect 32x40 smd: 1(33.75,0) 2(-33.75,0)
  Top Layer region: -26.25,0 -16.25,0 3.75,-20 -26.25,-20
  Top Layer region: -26.25,0 -16.25,0 3.75,20 -26.25,20
  Top Layer region: 23.75,20 13.75,20 -6.25,0 13.75,-20 23.75,-20
SHORT06-FP [mm]
  rect 0.6x0.6 smd paste-0.4 mask+0.102: 1(-0.4,0) 2(0.4,0)
  Top Layer region: -0.2,0.3 -0.2,-0.3 0.2,-0.3 0.2,0.3
SMD-0603-RES [mm]
  rect 0.85x0.85 smd: 1(0,0.775) 2(0,-0.775)
  silkscreen extent -0.7,-1.2 0.7,1.2, body extent -0.4,-0.85 0.4,0.85, height 0.56
SMD-0603C [mm]
  rect 0.85x0.85 smd: 1(0,0.775) 2(0,-0.775)
  silkscreen extent -0.4,0 0.4,0, body extent -0.4,-0.8 0.4,0.8, height 0.9